# Altium PCB Copy of Main.PcbDoc (part 6 of 6)
Units mm, origin at the board's own origin, x right, y up, seen from the top; angles counter-clockwise.
Board outline 181.65 x 83.38 mm, 6 copper layers (Top Layer, Signal 1, GND, VCC, Signal 2, Bottom Layer), stack 0.816 mm thick; 297 components, 263 nets, 1171 pads, 811 vias.
Unrouted connection lines stored in the file: 292.
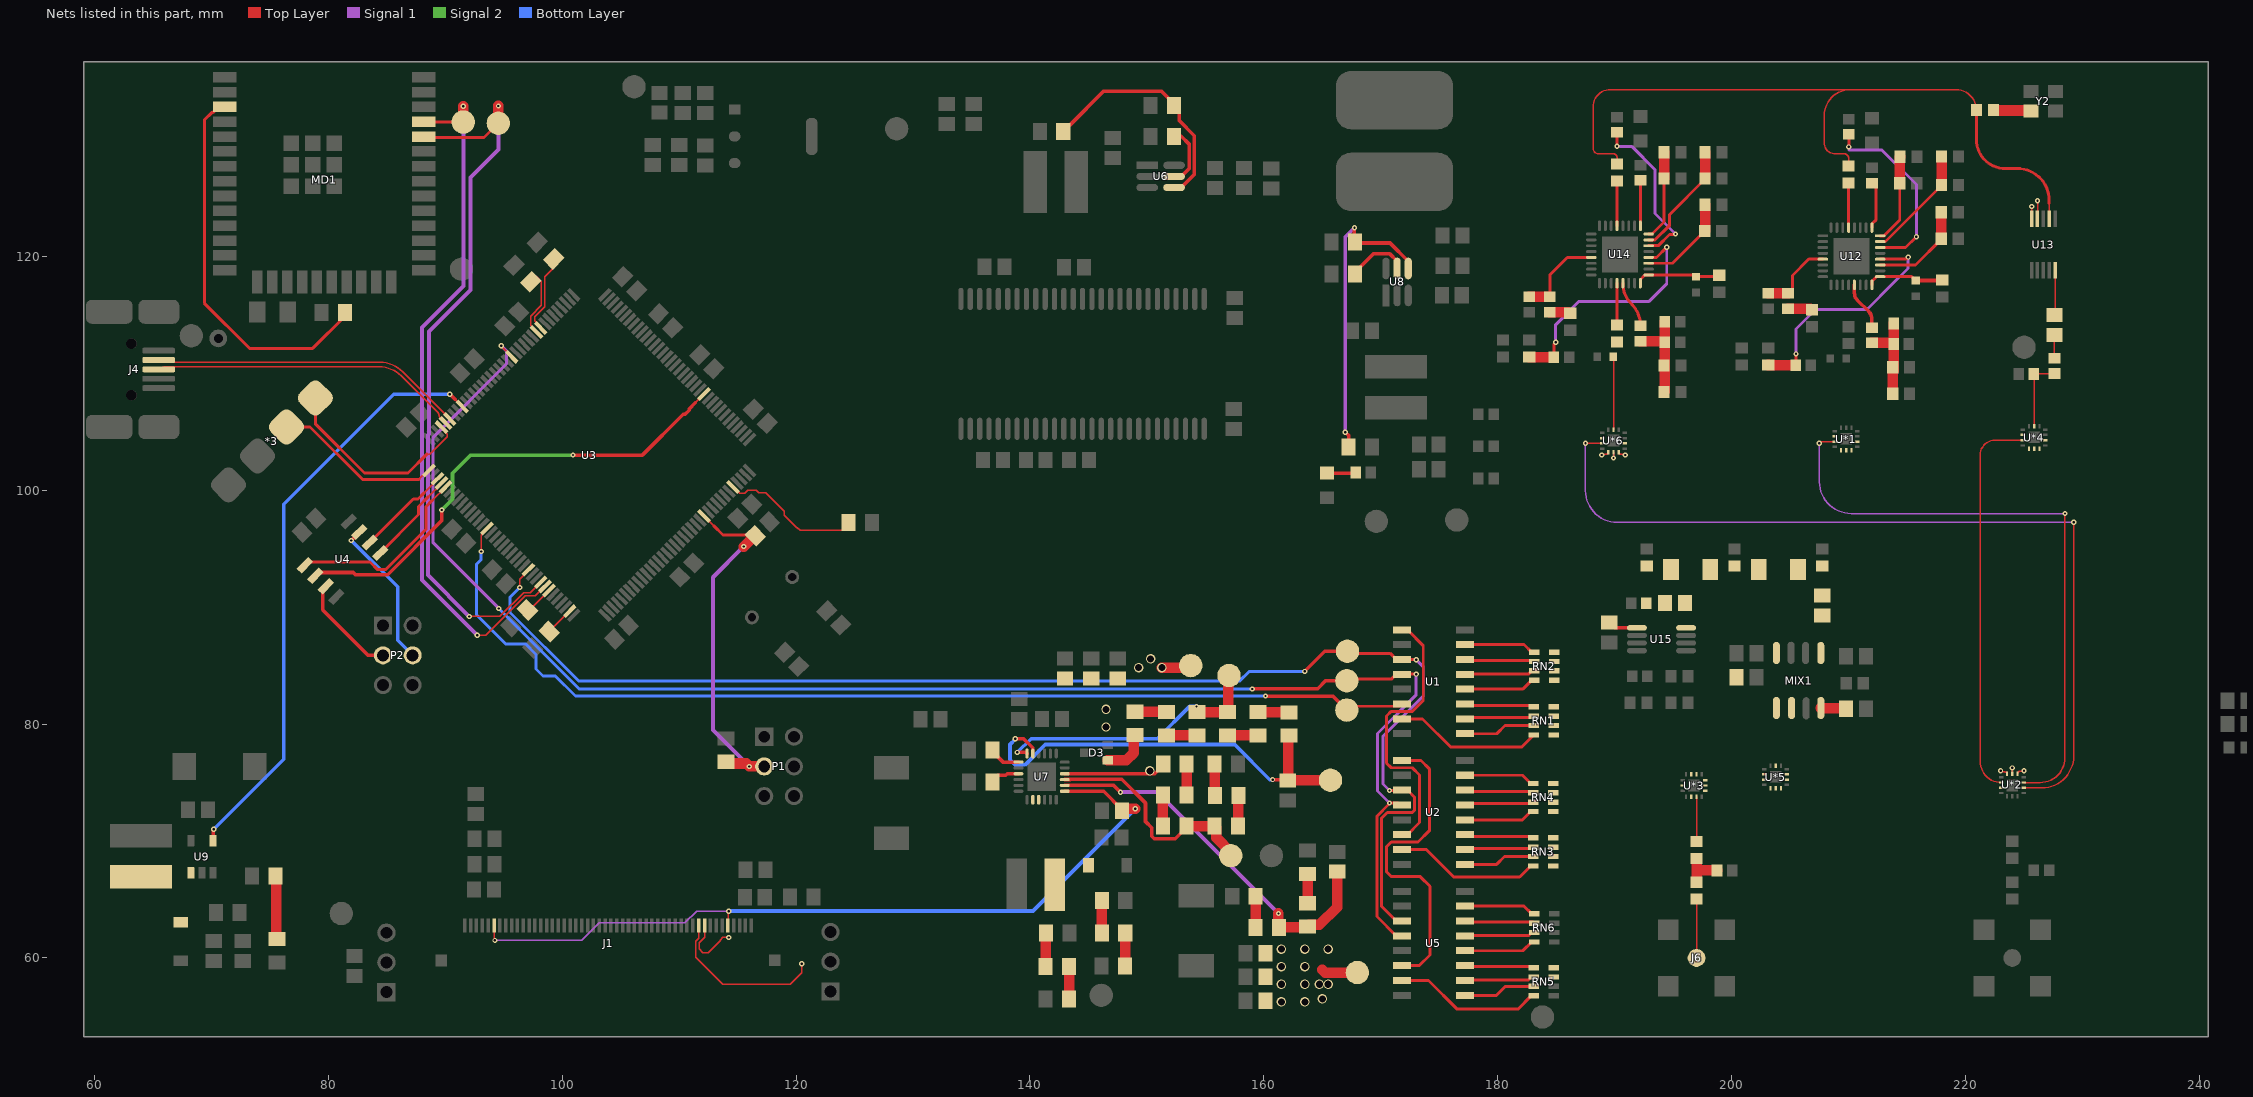
[diagram p9: the nets of this part, all layers, seen from the top]

## Via types
v1: diameter 0.8, hole 0.6, Top Layer to Bottom Layer, tented both sides, 397 vias
v2: diameter 0.45, hole 0.2, Top Layer to Bottom Layer, tented both sides, 228 vias
v3: diameter 0.4, hole 0.2, Top Layer to Bottom Layer, tented both sides, 138 vias
v4: diameter 0.45, hole 0.2, Top Layer to Bottom Layer, 25 vias
v5: diameter 0.5, hole 0.2, Top Layer to Bottom Layer, tented both sides, 23 vias

## Nets (pads, with @x,y where several pads share a name; then routed paths per layer and width w, separated by ;. In a path a pad name is that pad's centre, name@x,y a point inside that pad or via, vN(x,y) a via of type N, cw(c..) or ccw(c..) an arc to the next point about the centre after c; other vN are vias at no path point) (continued)
NetC77_2: C77.2 U12.29 | length 3.8
  Top Layer w0.254: U12.29@210,122.45 C77.2@210,126.275
NetC78_2: C78.2 C81.2 U12.19 | length 8.4
  Top Layer w0.254: U12.19@212.7,119.25 215.725,119.25 217.925,121.45 C81.2@217.925,121.5
  Top Layer w0.9: C81.2@217.925,121.5 C78.2@217.925,123.75
NetC79_2: C79.2 C80.2 R44.1 R47.2 R49.2 | length 7.9
  Top Layer w0.9: R47.2@212,112.6 213.8,112.6 R49.2@213.85,112.55 ; C80.2@213.775,108.25 213.775,110.125 213.85,110.2 R49.2@213.85,112.5 R49.2@213.85,112.55 ; R44.1@213.85,114.25 213.85,114.2 R49.2@213.85,112.55
NetC82_1: C82.1 C83.2 R51.2 | length 3.8
  Top Layer w0.9: C82.1@197,66.475 197,67.5 ; C83.2@197,68.5 197,67.5 ; R51.2@198.75,67.475 ccw(c198.725,67.475) 198.725,67.5 197,67.5
NetC82_2: C82.2 J6.1 | length 5
  Top Layer w0.127: J6.1@197,60 C82.2@197,65.025
NetC83_1: C83.1 U*3.3 | length 3.8
  Top Layer w0.127: C83.1@197,69.95 U*3.3@197,73.775
NetC84_2: C84.2 C85.2 U12.24 | length 7.6
  Top Layer w0.254: U12.24@212.7,121.75 213.021,121.75 214.375,123.104 C84.2@214.375,126.25
  Top Layer w0.305: C84.2@214.375,126.25 C84.2@214.375,126.3
  Top Layer w0.9: C84.2@214.375,126.3 214.375,128.475 C85.2@214.4,128.5
NetC94_2: C94.2 C95.2 U12.23 | length 9.7
  Top Layer w0.254: U12.23@212.7,121.25 212.702,121.252 213.166,121.252 216.8,124.886 216.8,124.9 217.95,126.05 C95.2@217.95,126.1
  Top Layer w0.305: C95.2@217.95,126.1 C95.2@217.95,126.152
  Top Layer w0.9: C95.2@217.95,126.152 C94.2@217.95,128.525
NetC96_1: C96.1 R53.1 | length 2.1
  Top Layer w0.9: R53.1@204.825,115.525 206.725,115.525 206.825,115.425 C96.1@206.875,115.425
NetC100_1: C100.1 Y2.3 | length 3.3
  Top Layer w0.9: C100.1@222.379,132.498 222.379,132.485 222.404,132.46 225.566,132.46 Y2.3@225.604,132.423
NetC110_1: C110.1 R56.2 | length 2
  Top Layer w0.127: R56.2@227.604,111.273 C110.1@227.604,113.273
NetC110_2: C110.2 U13.10 | length 3.8
  Top Layer w0.127: C110.2@227.604,114.973 227.654,115.023 U13.10@227.654,118.798
NetC114_1: C114.1 MIX1.8 | length 2.2
  Top Layer w0.9: MIX1.8@207.626,81.371 207.663,81.334 209.738,81.334 C114.1@209.776,81.296
NetC115_1: C115.1 MIX1.6
NetC125_1: C125.1 MIX1.1
NetC125_2: C125.2 C140.2 L8.1
NetC126_1: C126.1 U14.12 | length 3.6
  Top Layer w0.254: C126.1@190.202,114.124 U14.12@190.202,117.699
NetC126_2: C126.2 L7.1 U*6.13 | length 6.2
  Top Layer w0.127: L7.1@189.877,111.399 189.904,111.372 U*6.13@189.904,105.173
NetC127_2: C127.2 U14.29 | length 3.8
  Top Layer w0.254: U14.29@190.202,122.599 C127.2@190.202,126.424
NetC128_2: C128.2 C131.2 U14.19 | length 8.2
  Top Layer w0.254: U14.19@192.902,119.399 194.952,119.399 197.304,121.751 197.354,121.751 197.702,122.099 C128.2@197.702,122.149
  Top Layer w0.9: C128.2@197.702,122.149 197.727,122.174 C131.2@197.727,124.399
NetC129_2: C129.2 C130.2 R58.1 R59.2 R60.2 | length 8.1
  Top Layer w0.9: R59.2@192.202,112.749 194.061,112.749 cw(c194.061,112.408) R60.2@194.302,112.649 ; C129.2@194.227,108.399 ccw(c194.046,108.58) 194.302,108.58 R60.2@194.302,112.649 ; R58.1@194.302,114.399 R60.2@194.302,112.649
NetC132_2: C132.2 C133.2 U14.24 | length 7.7
  Top Layer w0.254: U14.24@192.902,121.899 193.202,121.899 194.227,122.924 C132.2@194.227,126.649
  Top Layer w0.9: C132.2@194.227,126.649 C133.2@194.227,128.899
NetC134_1: C134.1 U15.8 | length 0.1
  Top Layer w0.305: C134.1@196.1,90.275 C134.1@196.15,90.325
NetC134_2: C134.2 C142.2 L9.2 R63.1
NetC135_2: C135.2 C137.2 U14.23 | length 9.8
  Top Layer w0.254: U14.23@192.902,121.399 192.904,121.401 193.454,121.401 194.702,122.649 194.702,123.574 197.727,126.599 C135.2@197.727,126.649
  Top Layer w0.9: C135.2@197.727,126.649 C137.2@197.727,128.899
NetC136_1: C136.1 U15.1 | length 2.5
  Top Layer w0.305: C136.1@189.55,88.675 189.998,88.227 191.898,88.227 U15.1@191.9,88.225
NetC139_1: C139.1 R65.1 | length 1.8
  Top Layer w0.9: R65.1@184.452,115.224 186.027,115.224 186.152,115.099 C139.1@186.202,115.099
NetC141_2: C141.2 L8.2 L9.1
NetD1_2: D1.2 L2.2 U7.8 U7.9
NetD2_2: D2.2 L4.2 U9.1
NetLED1_2: LED1.2 R23.2 | length 2.5
  Top Layer w0.305: LED1.2@165.4,101.45 167.8,101.45 R23.2@167.85,101.5
NetMD1_3: MD1.3 R2.1 | length 32.8
  Top Layer w0.254: MD1.3@71.165,132.77 70.615,132.77 70.122,132.277 70.03,132.277 69.4,131.647 69.4,115.987 73.264,112.123 78.673,112.123 81.45,114.9 R2.1@81.45,115.025
NetMIX1_4: MIX1.4 U*3.13
NetMIX1_5: MIX1.5 U*5.13
NetP2_3: P2.3 U4.3 | length 8.9
  Top Layer w0.305: U4.3@79.8,91.777 79.517,91.494 79.517,89.758 83.4,85.875 P2.3@84.68,85.875
NetP2_4: P2.4 U4.7 | length 13
  Top Layer w0.305: v2(81.975,95.7) 82.65,96.375 U4.7@82.65,96.423
  Bottom Layer w0.305: v2(81.975,95.7) 85.937,91.738 85.937,87.158 P2.4@87.22,85.875
NetR3_1: R3.1 U3.32 | length 12.2
  Top Layer w0.127: U3.32@114.611,100.26 114.698,100.26 115.209,99.749 115.619,99.749 115.854,99.984 116.617,99.984 116.832,99.768 117.399,99.768 118.991,98.177 118.991,97.853 120.068,96.775 120.125,96.775 120.342,96.558 122.422,96.558 122.428,96.564 123.963,96.564 124.5,97.1 R3.1@124.5,97.225
NetR6_1: R6.1 U3.143 | length 2.5
  Top Layer w0.127: R6.1@98.907,87.907 98.907,87.939 100.622,89.653 U3.143@100.646,89.653
NetR7_1: R7.1 U3.138 | length 2.5
  Top Layer w0.127: R7.1@97.032,89.757 97.214,89.757 U3.138@98.878,91.421
NetR9_1: R9.1 R11.2 U6.4 | length 20.4
  Top Layer w0.305: R9.1@142.85,130.65 142.85,130.775 143.298,131.223 143.423,131.223 146.325,134.125 151.225,134.125 152.325,133.025 R11.2@152.325,132.9 152.773,132.452 152.773,131.601 154.06,130.314 154.06,126.988 152.946,125.875 U6.4@152.325,125.875
NetR10_2: R10.2 U6.5 | length 5.2
  Top Layer w0.305: R10.2@152.3,130.25 152.95,130.25 153.605,129.595 153.605,127.483 152.946,126.825 U6.5@152.325,126.825
NetR12_1: R12.1 R13.2 | length 2.8
  Top Layer w0.9: R13.2@146.15,62.125 R12.1@146.15,64.9
NetR13_1: R13.1 R14.2 | length 2.8
  Top Layer w0.9: R14.2@148.125,59.325 148.138,59.338 148.138,62.112 R13.1@148.15,62.125
NetR15_1: R15.1 U7.3 | length 2.6
  Top Layer w0.305: R15.1@136.8,75.05 136.8,75.175 137.248,75.623 137.94,75.623 138.068,75.75 U7.3@139.025,75.75
NetR16_1: R16.1 R17.2 | length 2.9
  Top Layer w0.9: R17.2@141.35,59.275 141.363,59.288 141.363,62.112 R16.1@141.375,62.125
NetR17_1: R17.1 R18.2 | length 2.8
  Top Layer w0.9: R18.2@143.35,56.475 R17.1@143.35,59.275
NetR19_1: R19.1 R21.2 U8.4 | length 26.3
  Top Layer w0.305: v2(166.969,104.956) 167.25,104.675 R19.1@167.25,103.7 ; v2(167.75,122.425) 167.75,121.25 R21.2@167.8,121.2 167.8,121.132 170.789,121.132 172.35,119.571 U8.4@172.35,118.95
  Signal 1 w0.305: v2(166.969,104.956) 166.969,121.644 v2(167.75,122.425)
NetR20_2: R20.2 U8.5 | length 5.3
  Top Layer w0.305: R20.2@167.8,118.5 167.8,118.625 169.405,120.23 170.742,120.23 171.4,119.571 U8.5@171.4,118.95
NetR22_1: R22.1 U7.1 | length 2.7
  Top Layer w0.305: R22.1@136.8,77.775 136.8,77.65 137.7,76.75 U7.1@139.025,76.75
NetR24_1: R24.1 R25.2 | length 2.7
  Top Layer w0.9: R24.1@159.3,62.6 R25.2@159.3,65.275
NetR26_1: R26.1 R29.2 | length 2.5
  Top Layer w0.9: R26.1@163.75,64.675 R29.2@163.75,67.175
NetR27_1: R27.1 R28.2 | length 5.4
  Top Layer w0.9: R28.2@75.5,67 75.55,66.95 75.55,61.65 R27.1@75.6,61.6
NetR31_1: R31.1 R32.2 | length 2.7
  Top Layer w0.9: R31.1@148.975,81.05 148.987,81.038 151.663,81.038 R32.2@151.675,81.025
NetR32_1: R32.1 R33.2 | length 2.6
  Top Layer w0.9: R32.1@151.675,79.025 R33.2@154.275,79.025
NetR34_1: R34.1 R35.2 | length 2.7
  Top Layer w0.9: R35.2@153.375,73.925 153.4,73.95 R34.1@153.4,76.6
NetR35_1: R35.1 R36.2 | length 2.7
  Top Layer w0.9: R36.2@151.375,71.275 R35.1@151.375,73.925
NetR37_1: R37.1 R38.2 | length 2.6
  Top Layer w0.9: R37.1@156.875,79.025 R38.2@159.5,79.025
NetR38_1: R38.1 R39.2 | length 2.7
  Top Layer w0.9: R38.1@159.5,81.025 159.513,81.013 162.137,81.013 R39.2@162.15,81
NetR40_1: R40.1 R41.2 | length 2.6
  Top Layer w0.9: R40.1@157.8,71.275 157.813,71.288 157.813,73.888 R41.2@157.825,73.9
NetR41_1: R41.1 R42.2 | length 2.7
  Top Layer w0.9: R42.2@155.8,76.6 155.813,76.587 155.813,73.912 R41.1@155.825,73.9
NetR47_1: R47.1 U12.13 | length 4.2
  Top Layer w0.305: U12.13@210.5,117.55 210.5,116.854 ccw(c211.354,116.854) 210.75,116.25 211.717,115.283 cw(c211.034,114.6) 212,114.6 R47.1@212,113.9
NetR50_1: R50.1 U12.22 | length 16
  Top Layer w0.254: v2(210.025,129.35) R50.1@210.025,130.425 ; U12.22@212.7,120.75 214.875,120.75 v2(215.8,121.675)
  Signal 1 w0.254: 210.05,129.1 212.825,129.1 215.8,126.125 v2(215.8,121.675)
NetR52_1: R52.1 U12.25 | length 4.1
  Top Layer w0.254: U12.25@212,122.45 212,122.771 212.356,123.127 212.356,125.927 212.033,126.25 R52.1@212,126.25
NetR56_1: R56.1 R57.2 U*4.13 | length 6.3
  Top Layer w0.127: U*4.13@225.879,105.448 225.879,109.898 R57.2@225.854,109.923 225.904,109.973 R56.1@227.604,109.973
NetR59_1: R59.1 U14.13 | length 4.1
  Top Layer w0.254: U14.13@190.702,117.699 ccw(c193.237,117.699) 191.444,115.907 191.452,115.899 cw(c189.641,114.088) 192.202,114.088 R59.1@192.202,114.049
NetR61_1: R61.1 U14.22 | length 14.2
  Top Layer w0.254: v2(190.202,129.399) R61.1@190.202,130.599 ; U14.22@192.902,120.899 192.904,120.901 193.728,120.901 194.689,121.861 195.164,121.861 v2(195.202,121.899)
  Signal 1 w0.254: v2(190.202,129.399) 191.452,129.399 193.452,127.399 193.452,123.649 v2(195.202,121.899)
NetR62_1: R62.1 U14.25 | length 3.9
  Top Layer w0.254: U14.25@192.202,122.599 R62.1@192.202,126.499
NetRN1_1: RN1.1 U1.3 | length 6
  Top Layer w0.254: U1.3@177.2,81.71 177.342,81.568 182.977,81.568 RN1.1@183.075,81.47
NetRN1_2: RN1.2 U1.2 | length 6
  Top Layer w0.254: U1.2@177.2,80.44 177.332,80.572 182.977,80.572 RN1.2@183.075,80.67
NetRN1_3: RN1.3 U1.1 | length 6.2
  Top Layer w0.254: U1.1@177.2,79.17 179.912,79.17 180.612,79.87 RN1.3@183.075,79.87
NetRN1_4: RN1.4 U1.15 | length 12.7
  Top Layer w0.254: U1.15@171.8,80.44 173.577,80.44 175.997,78.02 182.025,78.02 RN1.4@183.075,79.07
NetRN2_1: RN2.1 U1.7 | length 6.2
  Top Layer w0.254: U1.7@177.2,86.79 182.255,86.79 182.9,86.145 RN2.1@183.125,86.145
NetRN2_2: RN2.2 U1.6 | length 6
  Top Layer w0.254: U1.6@177.2,85.52 177.287,85.432 183.037,85.432 RN2.2@183.125,85.345
NetRN2_3: RN2.3 U1.5 | length 6
  Top Layer w0.254: U1.5@177.2,84.25 177.247,84.297 182.652,84.297 182.9,84.545 RN2.3@183.125,84.545
NetRN2_4: RN2.4 U1.4 | length 6.2
  Top Layer w0.254: U1.4@177.2,82.98 182.135,82.98 182.9,83.745 RN2.4@183.125,83.745
NetRN3_1: RN3.1 U2.3 | length 6
  Top Layer w0.254: U2.3@177.2,70.54 177.372,70.368 182.952,70.368 RN3.1@183.05,70.27
NetRN3_2: RN3.2 U2.2 | length 5.9
  Top Layer w0.254: U2.2@177.2,69.27 177.302,69.372 182.952,69.372 RN3.2@183.05,69.47
NetRN3_3: RN3.3 U2.1 | length 6.1
  Top Layer w0.254: U2.1@177.2,68 179.915,68 180.585,68.67 RN3.3@183.05,68.67
NetRN3_4: RN3.4 U2.15 | length 12.6
  Top Layer w0.254: U2.15@171.8,69.27 173.888,69.27 176.238,66.92 181.875,66.92 182.825,67.87 RN3.4@183.05,67.87
NetRN4_1: RN4.1 U2.7 | length 6.1
  Top Layer w0.254: U2.7@177.2,75.62 182.125,75.62 182.825,74.92 RN4.1@183.05,74.92
NetRN4_2: RN4.2 U2.6 | length 5.9
  Top Layer w0.254: U2.6@177.2,74.35 177.332,74.218 182.952,74.218 RN4.2@183.05,74.12
NetRN4_3: RN4.3 U2.5 | length 5.9
  Top Layer w0.254: U2.5@177.2,73.08 177.342,73.222 182.952,73.222 RN4.3@183.05,73.32
NetRN4_4: RN4.4 U2.4 | length 6.1
  Top Layer w0.254: U2.4@177.2,71.81 182.115,71.81 182.825,72.52 RN4.4@183.05,72.52
NetRN5_1: RN5.1 U5.3 | length 6
  Top Layer w0.254: U5.3@177.2,59.345 177.287,59.258 183.012,59.258 RN5.1@183.1,59.17
NetRN5_2: RN5.2 U5.2 | length 6
  Top Layer w0.254: U5.2@177.2,58.075 177.247,58.122 182.627,58.122 182.875,58.37 RN5.2@183.1,58.37
NetRN5_3: RN5.3 U5.1 | length 6.2
  Top Layer w0.254: U5.1@177.2,56.805 179.892,56.805 180.657,57.57 RN5.3@183.1,57.57
NetRN5_4: RN5.4 U5.15 | length 12.8
  Top Layer w0.254: U5.15@171.8,58.075 174.085,58.075 176.54,55.62 181.725,55.62 182.875,56.77 RN5.4@183.1,56.77
NetRN6_1: RN6.1 U5.7 | length 6.2
  Top Layer w0.254: U5.7@177.2,64.425 182.245,64.425 182.9,63.77 RN6.1@183.125,63.77
NetRN6_2: RN6.2 U5.6 | length 6
  Top Layer w0.254: U5.6@177.2,63.155 177.292,63.063 183.032,63.063 RN6.2@183.125,62.97
NetRN6_3: RN6.3 U5.5 | length 6
  Top Layer w0.254: U5.5@177.2,61.885 177.237,61.922 182.652,61.922 182.9,62.17 RN6.3@183.125,62.17
NetRN6_4: RN6.4 U5.4 | length 6.2
  Top Layer w0.254: U5.4@177.2,60.615 182.145,60.615 182.9,61.37 RN6.4@183.125,61.37
NetU1_9: U1.9 U2.14 | length 24
  Top Layer w0.254: U2.14@171.8,70.54 172.275,70.54 173.306,71.571 173.306,75.651 172.694,76.263 170.89,76.263 170.5,76.653 170.5,80.677 170.906,81.083 172.71,81.083 173.631,82.004 173.631,86.704 172.275,88.06 U1.9@171.8,88.06
NetU2_9: U2.9 U5.14 | length 27.2
  Top Layer w0.254: U5.14@171.8,59.345 173.3,59.345 174.2,60.245 174.2,66.12 173.375,66.945 170.925,66.945 170.475,67.395 170.475,69.482 170.905,69.913 173.193,69.913 174.15,70.87 174.15,76.17 173.43,76.89 U2.9@171.8,76.89
NetU*1_2: U*1.2 U*5.3
NetU*1_3: U*1.3 U*2.3 | length 52.9
  Top Layer w0.127: v4(207.5,104) cw(c207.648,104) 207.648,104.148 U*1.3@208.829,104.148 ; U*2.3@224.975,75 226.384,75 ccw(c226.384,77.116) 228.5,77.116 v4(228.5,98)
  Signal 1 w0.127: v4(207.5,104) 207.5,100.718 ccw(c210.218,100.718) 210.218,98 v4(228.5,98)
NetU*1_9: U*1.9 U*3.9
NetU*2_2: U*2.2 U*6.3 | length 74.6
  Top Layer w0.127: v4(187.5,104) 188.929,104 U*6.3@188.929,103.998 ; U*2.2@224.975,74.55 226.532,74.55 ccw(c226.532,77.268) 229.25,77.268 v4(229.25,97.25)
  Signal 1 w0.127: v4(187.5,104) 187.5,99.968 ccw(c190.218,99.968) 190.218,97.25 v4(229.25,97.25)
NetU*2_9: U*2.9 U*4.3 | length 33.4
  Top Layer w0.127: U*2.9@223.05,75 cw(c223.05,76.8) 221.25,76.8 221.25,103 cw(c222.523,103) 222.523,104.273 U*4.3@224.904,104.273
NetU*2_10: U*2.10 U*5.10
NetU*3_2: U*3.2 U*4.9
NetU*3_10: U*3.10 U*6.9
NetU*4_2: U*4.2 U*5.9
NetU*5_2: U*5.2 U*6.2
OSC_OUT: C77.1 C100.2 C127.1 U13.2 | length 63.8
  Top Layer w0.127: C127.1@190.202,127.874 190.202,128.45 ccw(c189.904,128.45) 189.904,128.748 188.654,128.748 cw(c188.654,129.248) 188.154,129.248 188.154,132.748 cw(c189.654,132.748) 189.654,134.248 210.154,134.248 ; C77.1@210,127.725 210,128.402 ccw(c209.654,128.402) 209.654,128.748 208.904,128.748 cw(c208.904,129.748) 207.904,129.748 207.904,131.998 cw(c210.154,131.998) 210.154,134.248 ; C100.2@220.929,132.498 ccw(c219.179,132.498) 219.179,134.248 210.154,134.248 ; U13.2@227.154,123.198 227.154,124.498
  Top Layer w0.254: C100.2@220.929,132.498 220.929,129.973 ccw(c223.404,129.973) 223.404,127.498 224.436,127.498 cw(c224.436,124.78) 227.154,124.78 227.154,124.498
PWM_LED_DISPLAYED: U3.100 U9.4 | length 50.9
  Top Layer w0.127: 90.879,107.729 U3.100@91.453,107.154
  Top Layer w0.254: 90.853,107.754 90.879,107.729
  Top Layer w0.305: U9.4@70.15,70.025 70.175,70.05 70.175,70.975 v2(70.2,71) ; v2(90.4,108.2) 90.407,108.2 90.853,107.754
  Bottom Layer w0.305: v2(70.2,71) 76.2,77 76.2,98.8 85.6,108.2 v2(90.4,108.2)
REF_LCD: *16.1 C46.2 R39.1 U7.23 | length 37.8
  Top Layer w0.305: v2(138.75,78.75) 139.456,78.75 140.242,77.964 140.242,77.483 U7.23@140.25,77.475 ; v2(160.75,75.25) 160.775,75.225 C46.2@162.1,75.225
  Top Layer w0.9: C46.2@162.05,75.175 C46.2@162.063,75.188 ; R39.1@162.15,79 162.1,78.95 162.1,75.225 C46.2@162.063,75.188 ; *16.1@165.7,75.2 165.687,75.188 C46.2@162.063,75.188
  Bottom Layer w0.305: v2(138.75,78.75) 138.75,78.711 138.294,78.254 138.294,76.956 138.75,76.5 139.572,76.5 141.322,78.25 157.5,78.25 160.5,75.25 v2(160.75,75.25)
RESET_MCU: C11.1 P1.3 R8.2 U3.25 | length 31.1
  Top Layer w0.127: U3.25@112.136,97.785 112.975,96.946
  Top Layer w0.254: 112.975,96.946 113.752,96.17 116.453,96.17 C11.1@116.524,96.099
  Top Layer w0.9: R8.2@114,76.775 114.15,76.625 115.76,76.625 v2(116.01,76.375) P1.3@117.28,76.375 ; v2(115.525,95.175) 116.449,96.099 C11.1@116.524,96.099
  Signal 1 w0.35: v2(115.525,95.175) 112.9,92.55 112.9,79.485 v2(116.01,76.375)
RX_ESP32: *8.1 MD1.34 U3.136 | length 63.3
  Top Layer w0.127: v2(92.05,89.2) 94.685,89.2 96.72,91.235 97.277,91.235 U3.136@98.171,92.128
  Top Layer w0.254: MD1.34@88.165,130.23 88.247,130.148 93.323,130.148 *8.1@94.55,131.375
  Top Layer w0.9: *8.1@94.55,131.375 v2(94.55,132.85)
  Signal 1 w0.35: v2(92.05,89.2) 88.523,92.727 88.523,104.712 88.625,104.814 88.625,113.575 92.15,117.1 92.15,126.725 94.55,129.125 v2(94.55,132.85)
SCL_SI5351: R5.1 U3.81 U13.4 | length 8.4
  Top Layer w0.127: U3.81@98.171,113.872 98.171,113.959 97.66,114.47 97.66,114.835 98.508,115.683 98.508,118.235 99.282,119.009 R5.1@99.282,119.768 ; U13.4@226.154,123.198 226.196,123.24 226.196,124.705 v4(226.154,124.748)
SDA_SI5351: R4.1 U3.82 U13.5 | length 7.3
  Top Layer w0.127: R4.1@97.307,117.818 97.77,118.28 98.231,117.819 98.231,115.798 97.306,114.873 97.306,114.116 97.817,113.605 U3.82@97.817,113.518 ; U13.5@225.654,123.198 v4(225.654,124.248)
SHIFT_CLK: *4.1 U1.11 U2.11 U3.133 U5.11 | length 115
  Top Layer w0.127: v2(96.38,91.679) 96.384,91.684 96.384,92.376 97.11,93.102 U3.133@97.11,93.189
  Top Layer w0.254: *4.1@167.15,86.22 167.325,86.045 170.8,86.045 171.325,85.52 U1.11@171.8,85.52 173,85.52 v2(173.025,85.495) ; v2(170.75,74.32) 170.765,74.335 171.785,74.335 U2.11@171.8,74.35 172.275,74.35 172.902,73.723 172.902,72.645 172.694,72.437 170.56,72.437 170.071,71.948 170.071,64.409 171.325,63.155 U5.11@171.8,63.155
  Top Layer w0.305: v2(163.5,84.5) 165.22,86.22 *4.1@167.15,86.22
  Signal 1 w0.254: v2(170.75,74.32) 170.194,74.876 170.194,78.964 173.631,82.401 173.631,84.889 v2(173.025,85.495)
  Bottom Layer w0.254: v2(96.38,91.679) 95.55,90.85 95.55,89.536 101.392,83.694 157.944,83.694 158.75,84.5 v2(163.5,84.5)
SHIFT_MOSI: *5.1 U1.14 U3.123 | length 91.2
  Top Layer w0.127: v2(93.079,94.746) 93.064,94.761 93.064,96.126 93.575,96.637 U3.123@93.575,96.724
  Top Layer w0.254: *5.1@167.1,81.195 167.425,81.52 171.61,81.52 U1.14@171.8,81.71
  Top Layer w0.305: v2(160.144,82.394) 165.901,82.394 *5.1@167.1,81.195
  Bottom Layer w0.254: v2(93.079,94.746) 93.079,94.079 92.694,93.694 92.694,89.324 95.162,86.856 96.86,86.856 97.775,85.941 97.775,84.704 98.368,84.11 99.421,84.11 101.137,82.394 v2(160.144,82.394)
SPI_FLASH_CS: U3.113 U4.1 | length 16.5
  Top Layer w0.127: 88.9,99.125 90.035,100.26 U3.113@90.039,100.26
  Top Layer w0.254: U4.1@78.004,93.573 78.287,93.856 83.569,93.856 84.225,93.2 84.9,93.2 88.375,96.675 88.375,98.6 88.9,99.125
SPI_FLASH_MISO: U3.112 U4.5 | length 8.2
  Top Layer w0.127: 88.55,99.425 89.685,100.56 U3.112@89.685,100.614
  Top Layer w0.254: U4.5@84.446,94.627 87.725,97.906 87.725,98.6 88.55,99.425
SPI_FLASH_MOSI: U3.48 U4.2 | length 41.8
  Top Layer w0.127: 111.393,107.472 U3.48@112.136,108.215
  Top Layer w0.305: U4.2@78.902,92.675 79.185,92.958 82.142,92.958 82.33,92.771 85.078,92.771 89.725,97.418 89.725,98.3 v2(89.7,98.3) ; v2(100.925,103) 106.867,103 110.355,106.487 110.506,106.487 110.862,106.843 110.862,106.94 111.393,107.472
  Signal 2 w0.305: v2(89.7,98.3) 90.625,99.225 90.625,101.45 92.175,103 v2(100.925,103)
SPI_FLASH_SCK: U3.111 U4.6 | length 8.1
  Top Layer w0.127: 88.2,99.775 89.332,100.907 U3.111@89.332,100.967
  Top Layer w0.254: U4.6@83.548,95.525 87.273,99.25 87.675,99.25 88.2,99.775
SW_HET: R65.2 R67.1 U14.5 | length 7.8
  Top Layer w0.254: R65.2@184.452,116.524 184.452,118.399 185.952,119.899 U14.5@188.002,119.899
  Top Layer w0.9: R67.1@182.702,116.524 184.402,116.524 R65.2@184.452,116.524
SW_HET1: RN3.7 U*6.7 | length 0.7
  Top Layer w0.127: U*6.7@190.354,103.248 190.354,103.15 190.39,103.114 190.424,103.114 190.488,103.05 190.851,103.05 v4(190.904,102.998)
SW_HET2: RN3.6 U*6.6 | length 0.5
  Top Layer w0.127: v4(189.904,102.748) U*6.6@189.904,103.248
SW_HET3: RN3.5 U*6.5 | length 0.7
  Top Layer w0.127: v4(188.904,102.998) 188.955,103.05 189.319,103.05 189.383,103.114 189.417,103.114 189.454,103.15 U*6.5@189.454,103.248
SW_LO1: RN1.8 U*5.7
SW_LO2: RN1.7 U*5.6
SW_LO3: RN1.6 U*5.5
SW_OUT1: RN2.6 U*2.7 | length 0.7
  Top Layer w0.127: v4(223,76) 223.061,75.938 223.362,75.938 223.416,75.884 223.513,75.884 223.55,75.848 U*2.7@223.55,75.75
SW_OUT2: RN2.5 U*2.6 | length 0.5
  Top Layer w0.127: U*2.6@224,75.75 v4(224,76.25)
SW_OUT3: RN3.8 U*2.5 | length 0.7
  Top Layer w0.127: U*2.5@224.45,75.75 224.45,75.848 224.486,75.884 224.52,75.884 224.584,75.948 224.947,75.948 v4(225,76)
SW_REF: R53.2 R55.1 U12.5 | length 6.6
  Top Layer w0.254: R53.2@204.825,116.825 204.875,116.825 205.198,117.148 205.198,118.355 206.599,119.756 207.473,119.756 207.479,119.75 U12.5@207.8,119.75
  Top Layer w0.9: R55.1@203.125,116.825 204.775,116.825 R53.2@204.825,116.825
SW_REF1: RN4.5 U*1.7
SW_REF2: RN5.8 U*1.6
SW_REF3: RN5.7 U*1.5
SW_RF1: RN1.5 U*3.7
SW_RF2: RN2.8 U*3.6
SW_RF3: RN2.7 U*3.5
SW_SI1: RN4.8 U*4.7
SW_SI2: RN4.7 U*4.6
SW_SI3: RN4.6 U*4.5
SWCLK: *3.3 U3.109 | length 14.4
  Top Layer w0.127: 87.75,100.925 88.499,101.674 U3.109@88.625,101.674
  Top Layer w0.254: *3.3@76.425,105.4 78.45,105.4 82.925,100.925 87.75,100.925
SWDIO: *3.4 U3.105 | length 17.5
  Top Layer w0.127: 88.425,103.075 88.701,103.075 90.196,104.57 90.196,104.789 89.685,105.3 U3.105@89.685,105.386
  Top Layer w0.254: *3.4@78.9,107.875 78.9,105.675 83.1,101.475 86.825,101.475 88.425,103.075
SWITCH_SHIFT: *2.1 U1.12 U2.12 U3.88 U5.12 | length 137.6
  Top Layer w0.127: v2(94.8,112.35) 94.8,112.321 95.607,111.515 U3.88@95.665,111.515
  Top Layer w0.254: *2.1@167.1,83.695 167.275,83.87 170.945,83.87 171.325,84.25 U1.12@171.8,84.25 171.81,84.26 173.015,84.26 v2(173.025,84.27) ; U5.12@171.8,61.885 171.325,61.885 169.667,63.543 169.667,72.115 170.75,73.198 v2(170.75,73.25) 171.47,73.25 171.72,73 U2.12@171.8,73.08
  Top Layer w0.305: v2(159,83) 159.025,83.025 164.599,83.025 165.268,83.695 *2.1@167.1,83.695
  Signal 1 w0.254: v2(94.58,89.879) 94.58,89.895 88.975,95.5 88.975,104.525 95.225,110.775 95.225,111.925 v2(94.8,112.35) ; v2(170.75,73.25) 170.75,73.255 169.725,74.28 169.725,79.195 173.025,82.495 v2(173.025,84.27)
  Bottom Layer w0.254: v2(94.58,89.879) 101.459,83 v2(159,83)
TX_ESP32: *9.1 MD1.35 U3.137 | length 60.9
  Top Layer w0.127: v2(92.75,87.6) 93.477,87.6 96.835,90.958 97.707,90.958 U3.137@98.524,91.775
  Top Layer w0.254: MD1.35@88.165,131.5 88.19,131.475 *9.1@91.55,131.475
  Top Layer w0.9: *9.1@91.55,131.475 v2(91.55,132.825)
  Signal 1 w0.35: v2(91.55,132.825) 91.55,117.45 88.023,113.923 88.023,92.302 92.725,87.6 v2(92.75,87.6)
USB_D_N: J4.2 U3.103 | length 26.8
  Top Layer w0.127: J4.2@65.5,111.125 ccw(c65.968,111.593) 65.968,110.931 84.429,110.931 cw(c84.429,108.213) 86.351,110.135 U3.103@90.393,106.094
USB_D_P: J4.3 U3.104 | length 26.6
  Top Layer w0.127: J4.3@65.5,110.325 cw(c66.043,109.782) 66.043,110.55 84.349,110.55 cw(c84.349,107.893) 86.228,109.772 89.387,106.613 cw(c89.173,106.4) 89.475,106.4 ccw(c89.707,106.4) 89.543,106.236 U3.104@90.039,105.74
V_COM: C41.2 R24.2 R26.2 U7.14 | length 32.8
  Top Layer w0.305: U7.14@142.975,74.75 147.175,74.75 v2(147.75,74.175)
  Top Layer w0.9: v2(161.25,63.8) 161.25,62.65 R24.2@161.3,62.6 161.338,62.637 163.712,62.637 R26.2@163.75,62.675 163.9,62.825 164.75,62.825 166.275,64.35 C41.2@166.275,67.375
  Signal 1 w0.35: v2(147.75,74.175) 150.875,74.175 v2(161.25,63.8)
V_FB2: *12.1 R33.1 R37.2 U7.24 | length 24.1
  Top Layer w0.305: v2(138.925,77.575) 139.65,77.575 U7.24@139.75,77.475 ; v2(154.25,81.5) 154.25,81.05 R33.1@154.275,81.025
  Top Layer w0.9: R33.1@154.275,81.025 R37.2@156.875,81.025 156.95,81.1 156.95,84.075 *12.1@157.025,84.15
  Bottom Layer w0.305: v2(138.925,77.575) 140.1,78.75 150.9,78.75 153.65,81.5 v2(154.25,81.5)
V_FB3: *13.1 R36.1 R40.2 U7.15 | length 19.9
  Top Layer w0.305: U7.15@142.975,75.25 142.983,75.258 143.464,75.258 143.481,75.275 147.85,75.275 149.881,73.244 149.881,71.669 150.423,71.127 150.423,70.404 150.629,70.198 152.423,70.198 153.375,71.15 R36.1@153.375,71.275
  Top Layer w0.9: R36.1@153.497,71.153 153.497,71.247 153.525,71.275 R40.2@155.8,71.275 155.95,71.125 155.95,70.273 157.175,69.048 *13.1@157.175,68.75
VCOM_LCD: C38.2 J1.6 J1.46 U7.13 | length 68.8
  Top Layer w0.127: J1.6@94.175,62.775 94.212,62.737 94.212,61.537 v2(94.25,61.5) ; J1.46@114.175,62.775 114.213,62.812 114.213,63.963 v2(114.25,64)
  Top Layer w0.305: U7.13@142.975,74.25 146.3,74.25 147.875,72.675 C38.2@147.875,72.6
  Top Layer w0.9: C38.2@147.875,72.575 147.875,72.6 148.025,72.75 v2(149,72.75)
  Signal 1 w0.127: v2(94.25,61.5) 101.669,61.5 103.169,63 110.5,63 111.5,64 v2(114.25,64)
  Bottom Layer w0.35: v2(114.25,64) 140.25,64 v2(149,72.75)
VGH_LCD: *19.1 C55.2 C56.2 C58.2 J1.41 R34.2 U7.16 | length 26
  Top Layer w0.127: J1.41@111.675,62.775 111.675,61.676 111.43,61.431 111.43,60.07 113.75,57.75 119.5,57.75 120.5,58.75 v2(120.5,59.5)
  Top Layer w0.305: U7.16@142.975,75.75 150.675,75.75 151.4,76.475 R34.2@151.4,76.6
  Top Layer w0.9: 165,59 165.25,58.75 *19.1@168,58.75
  other v1: 161.5,56.25 163.5,56.25 165,56.5 161.5,57.75 163.5,57.75 164.75,57.75 165.5,57.75 161.5,59.25 163.5,59.25 161.5,60.75 163.5,60.75 165.5,60.75 150.25,76
VGL_LCD: *15.1 C53.2 C54.2 C57.2 D3.1 J1.42 R31.2 | length 12
  Top Layer w0.127: J1.42@112.175,62.775 112.175,61.784 111.707,61.316 111.707,60.775 112.025,60.457 112.475,60.457 113.5,61.483 113.5,61.5 113.75,61.75 v2(114.25,61.75)
  Top Layer w0.9: D3.1@146.65,76.9 148.25,76.9 148.875,77.525 148.875,78.95 R31.2@148.975,79.05 ; v1(151.275,84.825) 153.575,84.825 *15.1@153.75,85
  other v1: 146.5,79.75 146.5,81.25 149.3,84.825 150.325,85.575
VTUNE_HET: C146.2 R66.2 U14.20 | length 20.9
  Top Layer w0.254: R66.2@184.802,111.374 184.802,112.499 v2(184.952,112.649) ; U14.20@192.902,119.899 193.583,119.899 v2(194.452,120.768)
  Top Layer w0.9: C146.2@182.702,111.374 R66.2@184.802,111.374
  Signal 1 w0.254: v2(184.952,112.649) 184.952,114.149 186.952,116.149 192.952,116.149 194.452,117.649 v2(194.452,120.768)
VTUNE_REF: C98.2 R54.2 U12.20 | length 20.6
  Top Layer w0.254: R54.2@205.475,110.675 205.5,110.7 v2(205.5,111.65) ; U12.20@212.7,119.75 214.925,119.75 v2(215.1,119.925)
  Top Layer w0.9: C98.2@203.125,110.7 203.15,110.675 203.675,110.675 R54.2@205.475,110.675
  Signal 1 w0.254: v2(205.5,111.65) 205.5,113.775 207.175,115.45 211.575,115.45 213.787,117.663 215.075,118.95 215.075,119.9 v2(215.1,119.925)
VVCO1: C147.1 L10.1 U14.16 U14.17 | length 7.3
  Top Layer w0.254: U14.16@192.202,117.699 192.202,118.02 192.579,118.397 192.9,118.397 U14.17@192.902,118.399 192.904,118.397 196.804,118.397 L10.1@196.952,118.249 198.827,118.249 C147.1@198.952,118.374
VVCO2: C99.1 L6.1 U12.16 U12.17 | length 6.6
  Top Layer w0.254: U12.16@212,117.55 212,117.871 212.379,118.25 U12.17@212.7,118.25 215.4,118.25 215.725,117.925 L6.1@215.75,117.925
  Top Layer w0.305: L6.1@215.75,117.925 217.95,117.925 C99.1@218,117.975
pads on no net: J1.45 J1.49 J1.50 J1.MP1 J1.MP2 J4.4 J4.X J4.Y MD1.4 MD1.5 MD1.6 MD1.7 MD1.8 MD1.9 MD1.10 MD1.11 MD1.12 MD1.13 MD1.14 MD1.16 MD1.17 MD1.18 MD1.19 MD1.20 MD1.21 MD1.22 MD1.23 MD1.24 MD1.26 MD1.27 MD1.28 MD1.29 MD1.30 MD1.31 MD1.32 MD1.33 MD1.36 MD1.37 RN5.5 RN6.5 RN6.6 RN6.7 RN6.8 U3.1 U3.2 U3.9 U3.18 U3.19 U3.20 U3.21 U3.28 U3.45 U3.71 U3.73 U3.80 U3.87 U3.106 U3.110 U3.116 U3.124 U3.125 U3.129 U3.134 U3.135 U5.9 U7.5 U7.6 U7.17 U11.36 U11.40 U12.14 U12.15 U12.30 U13.3 U13.6 U14.14 U14.15 U14.30 U15.3 U15.6 U*1.1 U*1.8 U*1.10 U*1.11 U*1.12 U*1.14 U*2.1 U*2.8 U*2.11 U*2.12 U*2.14 U*3.1 U*3.8 U*3.11 U*3.12 U*3.14 U*4.1 U*4.8 U*4.10 U*4.11 U*4.12 U*4.14 U*5.1 U*5.8 U*5.11 U*5.12 U*5.14 U*6.1 U*6.8 U*6.10 U*6.11 U*6.12 U*6.14 Y2.1
copper on no net: | length 0.3
  Top Layer w0.127: 342.625,205.225 342.825,205.025
  other v1: 222.25,-6

## Polygon pours and split planes (outlines as drawn)
GND on GND "GND_L03_P012" (solid, pour order 12): 167.306,111.475
AGND on Top Layer (solid, pour order 270): 210.875,91.9 ccw(c208.275,91.9) 208.275,94.5 192.225,94.5 ccw(c192.225,94.125) 191.85,94.125 191.85,90.226 188.3,90.547 188.3,95.038 cw(c188.646,95.089) 188.55,95.425 209.357,95.425 cw(c209.357,92.707) 212.075,92.707 212.075,80.625 210.875,80.625
AGND on Top Layer (solid, pour order 268): 193.825,65.213 ccw(c193.825,63.35) 191.962,63.35 191.962,56.925 cw(c191.937,56.925) 191.937,56.9 ccw(c193.825,56.9) 193.825,55.013 200.313,55.013 ccw(c200.313,55.05) 200.35,55.05 200.412,55.05 ccw(c200.412,56.825) 202.188,56.825 202.188,63.325 ccw(c202.138,63.325) 202.138,63.375 ccw(c200.325,63.375) 200.325,65.188 200.3,65.188 ccw(c200.3,63.463) 198.575,63.463 198.575,59.775 cw(c197.075,59.775) 197.075,58.275 cw(c197.075,59.85) 195.5,59.85 195.5,63.538 ccw(c193.825,63.538)
AGND on Top Layer (solid, pour order 266): 220.775,65.088 ccw(c220.775,63.225) 218.912,63.225 218.912,56.8 cw(c218.887,56.8) 218.887,56.775 ccw(c220.775,56.775) 220.775,54.888 227.262,54.888 ccw(c227.262,54.925) 227.3,54.925 227.362,54.925 ccw(c227.362,56.7) 229.137,56.7 229.137,63.2 ccw(c229.087,63.2) 229.087,63.25 ccw(c227.275,63.25) 227.275,65.063 227.25,65.063 ccw(c227.25,63.338) 225.525,63.338 225.525,59.65 cw(c224.025,59.65) 224.025,58.15 cw(c224.025,59.725) 222.45,59.725 222.45,63.413 ccw(c220.775,63.413)
+3.3 on Top Layer (solid, pour order 258): 199.452,117.399 199.452,114.524 198.852,113.924 195.152,113.924 195.152,116.449 196.102,117.399
AGND on Top Layer (solid, pour order 248): 189.15,68.125
AGND on Top Layer (solid, pour order 246): 188.575,90.825 188.3,90.55 188.3,86.875 188.8,86.375 192.7,86.375 193.05,86.025 193.05,84.575 194.65,84.575 194.7,84.525 194.7,87.7 195,88 195,89.25 194.775,89.475 192.125,89.475 191.85,89.75 191.85,90.825
NetC134_2 on Top Layer (solid, pour order 244): 194.9,91.05 194.9,89.65 192.25,89.65 192.25,91.05
NetC134_1 on Top Layer (solid, pour order 242): 195.325,88 195.15,88.175 195.15,91.05 196.6,91.05 196.95,90.7 196.95,88
ADC_MCU on Top Layer (solid, pour order 240): 191.95,81.45 191.8,81.3 190.575,81.3 190.325,81.55 190.325,85.75 191.05,86.475 192.6,86.475 192.725,86.35 192.725,85 192.55,84.825 192.15,84.825 191.95,84.625
+5 on Top Layer (solid, pour order 238): 195.8,81.3 197.3,81.3 197.725,81.725 197.725,87.5 197.425,87.8 195.15,87.8 194.85,87.5 194.85,85.4 195.8,84.45
AGND on Top Layer (solid, pour order 236): 195.275,84.6 195.3,84.575 195.3,81.325 192.3,81.325 192.3,84.6
NetC125_2 on Top Layer (solid, pour order 234): 205,92.325 205,94.125 208.275,94.125 208.275,92.375 208.3,92.35 208.275,92.325
NetC141_2 on Top Layer (solid, pour order 232): 203,92.325 203,94.125 197.5,94.125 197.5,92.325
NetC134_2 on Top Layer (solid, pour order 226): 195.5,92.325 195.5,94.125 192.1,94.125 192.1,92.35
NetC76_2 on Top Layer (solid, pour order 220): 209.475,113 210.525,113 210.525,110.9 209.475,110.9
no net on Top Layer (solid, pour order 218): 209.475,113
+3.3 on Top Layer (solid, pour order 212): 218.5,117 214.225,117 214,116.775 214,115.8 214.7,115.1 214.7,113.8 215.55,113.8 215.6,113.75 217.7,113.75 218.5,114.55
GND on Top Layer "Top Layer-GND 10" (solid, pour order 210): 148.25,86.75 148.25,85 135.15,85 131.25,81.1 120.075,81.1 120.075,83.925 119.25,84.75 123.75,89.25 147.1,89.25 148.175,88.175 148.175,85.35
VGH_LCD on Top Layer "Top Layer-VGH_LCD" (solid, pour order 204): 159.6,55.425 160.175,54.85 164.8,54.85 166.7,56.75 166.7,61.425 166.525,61.6 159.925,61.6 159.6,61.275
VGH_LCD on Top Layer "Top Layer-VGH_LCD 1" (solid, pour order 198): 151.975,77.3 151.975,75.425 151.725,75.175 149.025,75.175 148.525,75.675 148.525,75.925 150.2,77.6 151.7,77.6 152,77.3
VGL_LCD on Top Layer "Top Layer-VGL_LCD" (solid, pour order 196): 148,78.475 147.725,78.75 145.5,78.75 145.5,80.975 144,82.475 142.675,82.475 142.275,82.875 142.275,84.5 148.25,84.5 149,85.25 149,85.925 149.15,86.075 151.475,86.075 151.825,85.725 151.825,82.8 151.2,82.175 148.525,82.175 148.475,82.125 148,82.125 147.725,81.85 147.725,80.05 148.15,79.625 149.675,79.625 149.675,78.5 149.7,78.475
GND on Top Layer "Top Layer-GND 11" (solid, pour order 192): 140.75,57.175 140.75,55.275 141.175,54.85 158.125,54.85 159.025,55.75 159.025,61.05 157.65,62.425 150.25,62.425 149.525,61.7 149.525,57.725 147.275,55.475 142.2,55.475 141.95,55.725 141.95,57.175
AVDD_LCD on Top Layer "Top Layer-AVDD_LCD" (solid, pour order 190): 140.75,57.175
AVDD_LCD on Top Layer "Top Layer-AVDD_LCD 1" (solid, pour order 188): 147.85,68.475 148.6,69.225 154.275,69.225 157.5,66 157.5,64.425 156.55,63.475 148.35,63.475 147.5,64.325 147.5,68.175 147.55,68.225 148.675,69.35
GND on Top Layer "Top Layer-GND 12" (solid, pour order 186): 141.1,73.825 141.1,71.8 141.75,71.15 145.1,71.15 145.425,71.475 146.6,71.475 146.775,71.65 146.775,73.275 144.95,73.275 144.275,72.6 142.2,72.6 141.875,72.925 141.875,73.825
GND on Top Layer "Top Layer-GND 13" (solid, pour order 184): 139.05,76.4 133.775,76.4 131.25,78.925 131.25,81.1 120.075,81.1 118.65,79.675 118.65,75.575 117.95,74.875 115.75,74.875 115.4,74.525 115.4,71.3 115.975,70.725 125.1,70.725 126.15,71.775 131.85,71.775 133.725,73.65 133.725,75.95 133.9,76.125 139.175,76.125
NetD1_2 on Top Layer "Top Layer-NetD1_2" (solid, pour order 182): 141.25,64 142.25,64 145.475,67.225 145.475,68.525 143.05,70.95 141.575,70.95 140.875,71.65 140.875,73.85 ccw(c140.8,73.85) 140.8,73.925 140.2,73.925 ccw(c140.2,73.85) 140.125,73.85 140.125,69.625 141.25,68.5
+5 on Top Layer "Top Layer-+5 6" (solid, pour order 178): 139.6,73.525 139.6,73.175 138.825,72.4 138.825,71.1 139.1,70.825 139.775,70.825 139.775,72.825 139.9,72.95 139.9,73.525
+5 on Top Layer "Top Layer-+5 7" (solid, pour order 176): 128.35,56.375 128.35,62.825 125.65,65.525 125.65,70.35 126.55,71.25 139.35,71.25 139.775,70.825 139.775,54.825 129.9,54.825
+1.8 on Top Layer "Top Layer-+1.8" (solid, pour order 170): 115.225,131.8 114,130.575 114,128.85 115.3,128.85 116.05,128.1 122.1,128.1 122.525,128.525 122.525,135.3 122.1,135.725 104.95,135.725 104.95,133.495 105.1,133.375 105.525,133.375 115.225,133.375 115.525,133.075 115.525,132.075 115.225,131.775
GND on Top Layer "Top Layer-GND 14" (solid, pour order 168): 106.1,128.875 105.05,129.925 105.05,132.025 106,132.975 115.25,132.975 115.25,132.125 113.725,130.6 113.725,129.7 112.9,128.875
+3.3 on Top Layer "Top Layer-+3.3 3" (solid, pour order 164): 114.775,128.375 106.525,128.375 105.15,127 105.15,122.8 105.675,122.275 115,122.275 115.575,122.85 115.575,127.9 115.075,128.4 114.7,128.4
+VL on Top Layer "Top Layer-+VL" (solid, pour order 154): 83.55,68.125
+VL on Top Layer "Top Layer-+VL 1" (solid, pour order 152): 62.825,60.2 61.4,58.775 61.4,56.425 63.05,54.775 78.175,54.775 80.575,57.175 80.575,61.55 82.8,63.775 86.827,63.775 88.9,62.175 91.525,62.175 92.325,62.175 92.325,63.275 90.075,65.525 81.05,65.525 77.175,61.65 77.175,60.55 76.825,60.2
NetC42_1 on Top Layer "Top Layer-NetC42_1" (solid, pour order 150): 72,60.85 71.8,61.05 71.8,64.875 69.85,66.825 69.85,67.775 74.05,67.775 74.1,67.725 74.1,61.55 73.4,60.85
GND on Top Layer "Top Layer-GND" (solid, pour order 144): 69.5,60.85 68.9,61.45 68.9,71.75 69.125,71.975 69.125,82.85 70.05,83.775 73.525,83.775 74.725,82.575 74.7,82.55 74.7,73.25 69.5,68.05 69.5,66.775 71,65.275 71,60.95 70.9,60.85
NetD2_2 on Top Layer "Top Layer-NetD2_2" (solid, pour order 142): 68.5,67.75 68.3,67.95 61.3,67.95 61.3,63.775 63.25,61.825 67.775,61.825 68.525,62.575 68.5,62.6
+5 on Top Layer "Top Layer-+5" (solid, pour order 138): 68.5,67.75
+5 on Top Layer "Top Layer-+5 1" (solid, pour order 136): 68.5,67.75
+5 on Top Layer "Top Layer-+5 2" (solid, pour order 134): 61.4,69.5 59.8,71.1 59.8,101.6 60.5,102.3 67.6,102.3 68.7,101.2 68.7,69.5
GND on Top Layer "Top Layer-GND 1" (solid, pour order 126): 91.875,65.15 91.875,64.025 92.65,63.25 93.825,63.25 93.825,64.4 93.075,65.15
GND on Top Layer "Top Layer-GND 2" (solid, pour order 124): 91.875,65.15
GND on Top Layer "Top Layer-GND 3" (solid, pour order 122): 91.875,65.15
GND on Top Layer "Top Layer-GND 4" (solid, pour order 118): 175.15,130.975 177.2,128.925 177.2,123.875 176.35,123.025 176.35,115.725 174.35,113.725 174.35,99.575 174.85,99.075 178.275,99.075 178.925,99.725 178.925,134.85 177.95,135.825 174.225,135.825
GND on Top Layer "Top Layer-GND 5" (solid, pour order 116): 170.65,117.575 166.625,117.575 166.4,117.8 166.4,121.925 164.325,121.925 163.9,121.5 163.9,116.025 164.2,115.725 170.7,115.725
+12 on Top Layer "Top Layer-+12" (solid, pour order 114): 172.325,115.725 175.55,115.725 175.875,116.05 175.875,124.45 173.225,124.45 172.85,124.075 172.85,117.8 172.6,117.55 172.35,117.55
NetC32_2 on Top Layer "Top Layer-NetC32_2" (solid, pour order 112): 168.675,111.525 168.675,114.525 169.375,115.225 170.9,115.225 171.1,115.425 171.1,116.075 171.675,116.075 171.7,116.1 171.7,115.45 171.925,115.225 173.75,115.225 173.95,115.025 173.95,111.525
+3.3 on Top Layer "Top Layer-+3.3" (solid, pour order 110): 168.675,111.525
+3.3 on Top Layer "Top Layer-+3.3 1" (solid, pour order 108): 168.675,111.525
+3.3 on Top Layer "Top Layer-+3.3 2" (solid, pour order 106): 168.65,106.05 168.65,99.25 168.925,98.975 173.575,98.975 173.95,99.35 173.95,106.075
no net on Top Layer "Top Layer-No Net 2" (solid, pour order 104): 168.65,106.05
GND on Top Layer "Top Layer-GND 6" (solid, pour order 102): 131.3,132.4 130.6,133.1 130.6,135.2 131.1,135.7 153.425,135.7 153.425,134.15 151.95,134.15 151.6,134.5 145.9,134.5 143.8,132.4
+5 on Top Layer "Top Layer-+5 3" (solid, pour order 96): 137.525,131.875 131.175,131.875 130.6,131.3 130.6,124.3 131.2,123.7 137.575,123.7
+5 on Top Layer "Top Layer-+5 4" (solid, pour order 94): 139.775,131.875 137.525,131.875 137,131.35 137,124.275 137.575,123.7 139.475,123.7
+12 on Top Layer "Top Layer-+12 1" (solid, pour order 92): 167.575,128.875 163.825,128.875 161.325,126.375 161.25,126.45 154.3,126.45 153.2,125.35 151.175,125.35 150.95,125.575 150.95,125.875 149.1,125.875 149.1,124.3 149.675,123.725 167.625,123.725
GND on Top Layer "Top Layer-GND 7" (solid, pour order 88): 167.3,130.875 167.275,130.85 165.225,130.85 161.3,126.925 161.275,126.95 154.5,126.95 154.5,130.625 153.475,131.65 153.425,131.65 153.425,135.7 168.925,135.7 168.975,135.65
GND on Top Layer "Top Layer-GND 8" (solid, pour order 84): 149.1,128.075 150.95,128.075 150.95,133.625 149.125,133.625
GND on Top Layer "Top Layer-GND 9" (solid, pour order 82): 149.1,128.075
+5 on Top Layer "Top Layer-+5 5" (solid, pour order 76): 139.45,129 139.45,131.6 139.75,131.9 139.775,131.875 141.3,131.875 141.45,131.725 141.45,128.725
NetC22_2 on Top Layer "Top Layer-NetC22_2" (solid, pour order 74): 144.925,123.725 148.275,123.725 148.85,124.3 148.85,126.425 148.95,126.525 149.4,126.525 149.4,127.125 148.925,127.125 148.85,127.2 148.85,128.575 148.425,129 144.925,129
no net on Top Layer "Top Layer-No Net 1" (solid, pour order 52): 149.725,127.15
no net on Top Layer "Top Layer-No Net" (solid, pour order 34): 115,64.5
GND on Top Layer "GND_L01_P016" (solid, pour order 16): 91.875,65.15
VGL_LCD on VCC "VCC-VGL_LCD" (solid, pour order 208): 142.302,84.15 147.85,84.15 149,85.3 149,86.155 149.195,86.35 151.43,86.35 151.825,85.955 151.825,82.275 151.25,81.7 147.475,81.7 147.475,75.475 139.5,67.5 127.75,67.5 121.9,61.65 114.1,61.65 113.5,62.25 113.5,63 119,63 127.5,71.5 139.25,71.5 142.302,74.552
VGH_LCD on VCC "VCC-VGH_LCD" (solid, pour order 206): 149.425,75.925 140.25,66.75 128.761,66.75 123.261,61 119.5,61 119.5,59.25 123.5,59.25 129.99,66 143.25,66 151.75,74.5 151.75,75.525 151.35,75.925
VGH_LCD on VCC "VCC-VGH_LCD 1" (solid, pour order 202): 150.75,77.25 149.025,75.525 149.025,75.175 151.725,75.175 151.725,74.025 160.125,65.625 160.125,56 165.25,56 166,56.75 166,67.25 156,77.25
AVDD_LCD on VCC "VCC-AVDD_LCD" (solid, pour order 200): 154.3,69.225 157.5,66.025 157.5,64.425 156.55,63.475 130.2,63.475 123.5,56.775 114.975,56.775 110.75,61 111.5,61.75 112.175,61.75 115.05,58.875 124.25,58.875 130.775,65.4 144.4,65.4 148.225,69.225
+5 on VCC "VCC-+5 1" (solid, pour order 174): 59.825,97.675 59.825,58 63.05,54.775 63.1,54.825 139.775,54.825 139.775,61.25 137.875,63.15 130.15,63.15 128.35,61.35 128.35,56.375 114.775,56.375 111.825,59.325 96.45,59.325 93.1,55.975 79.375,55.975 79.375,86.325 68,97.7
+5 on VCC "VCC-+5" (solid, pour order 132): 141.375,131.8 141.3,131.875 131.075,131.875 129.35,133.6 129.35,135.2 129.125,135.425 61.6,135.425 59.825,133.65 59.825,97.675 60.975,96.525 67.475,96.525 68.15,97.2 68.15,106 69.525,106 71.8,108.275 71.8,121.45 74.2,123.85 141.4,123.85
GND on VCC "VCC-GND" (solid, pour order 46): 78.65,76.4
GND on Bottom Layer "Bottom Layer-GND" (solid, pour order 120): 91.875,65.15

## Silkscreen, mask and mechanical layers (free items; w line width, h text height)
Top Overlay:
  lines w0.15: 59.25,52.5 240.75,52.5
  text "GND" at 177.5,132.75 h1.52
  text "+12V" at 177.25,126 h1.52